# Altium PCB ALCT_MEZ_SPARTAN6T.PcbDoc (part 8 of 12) (continued)
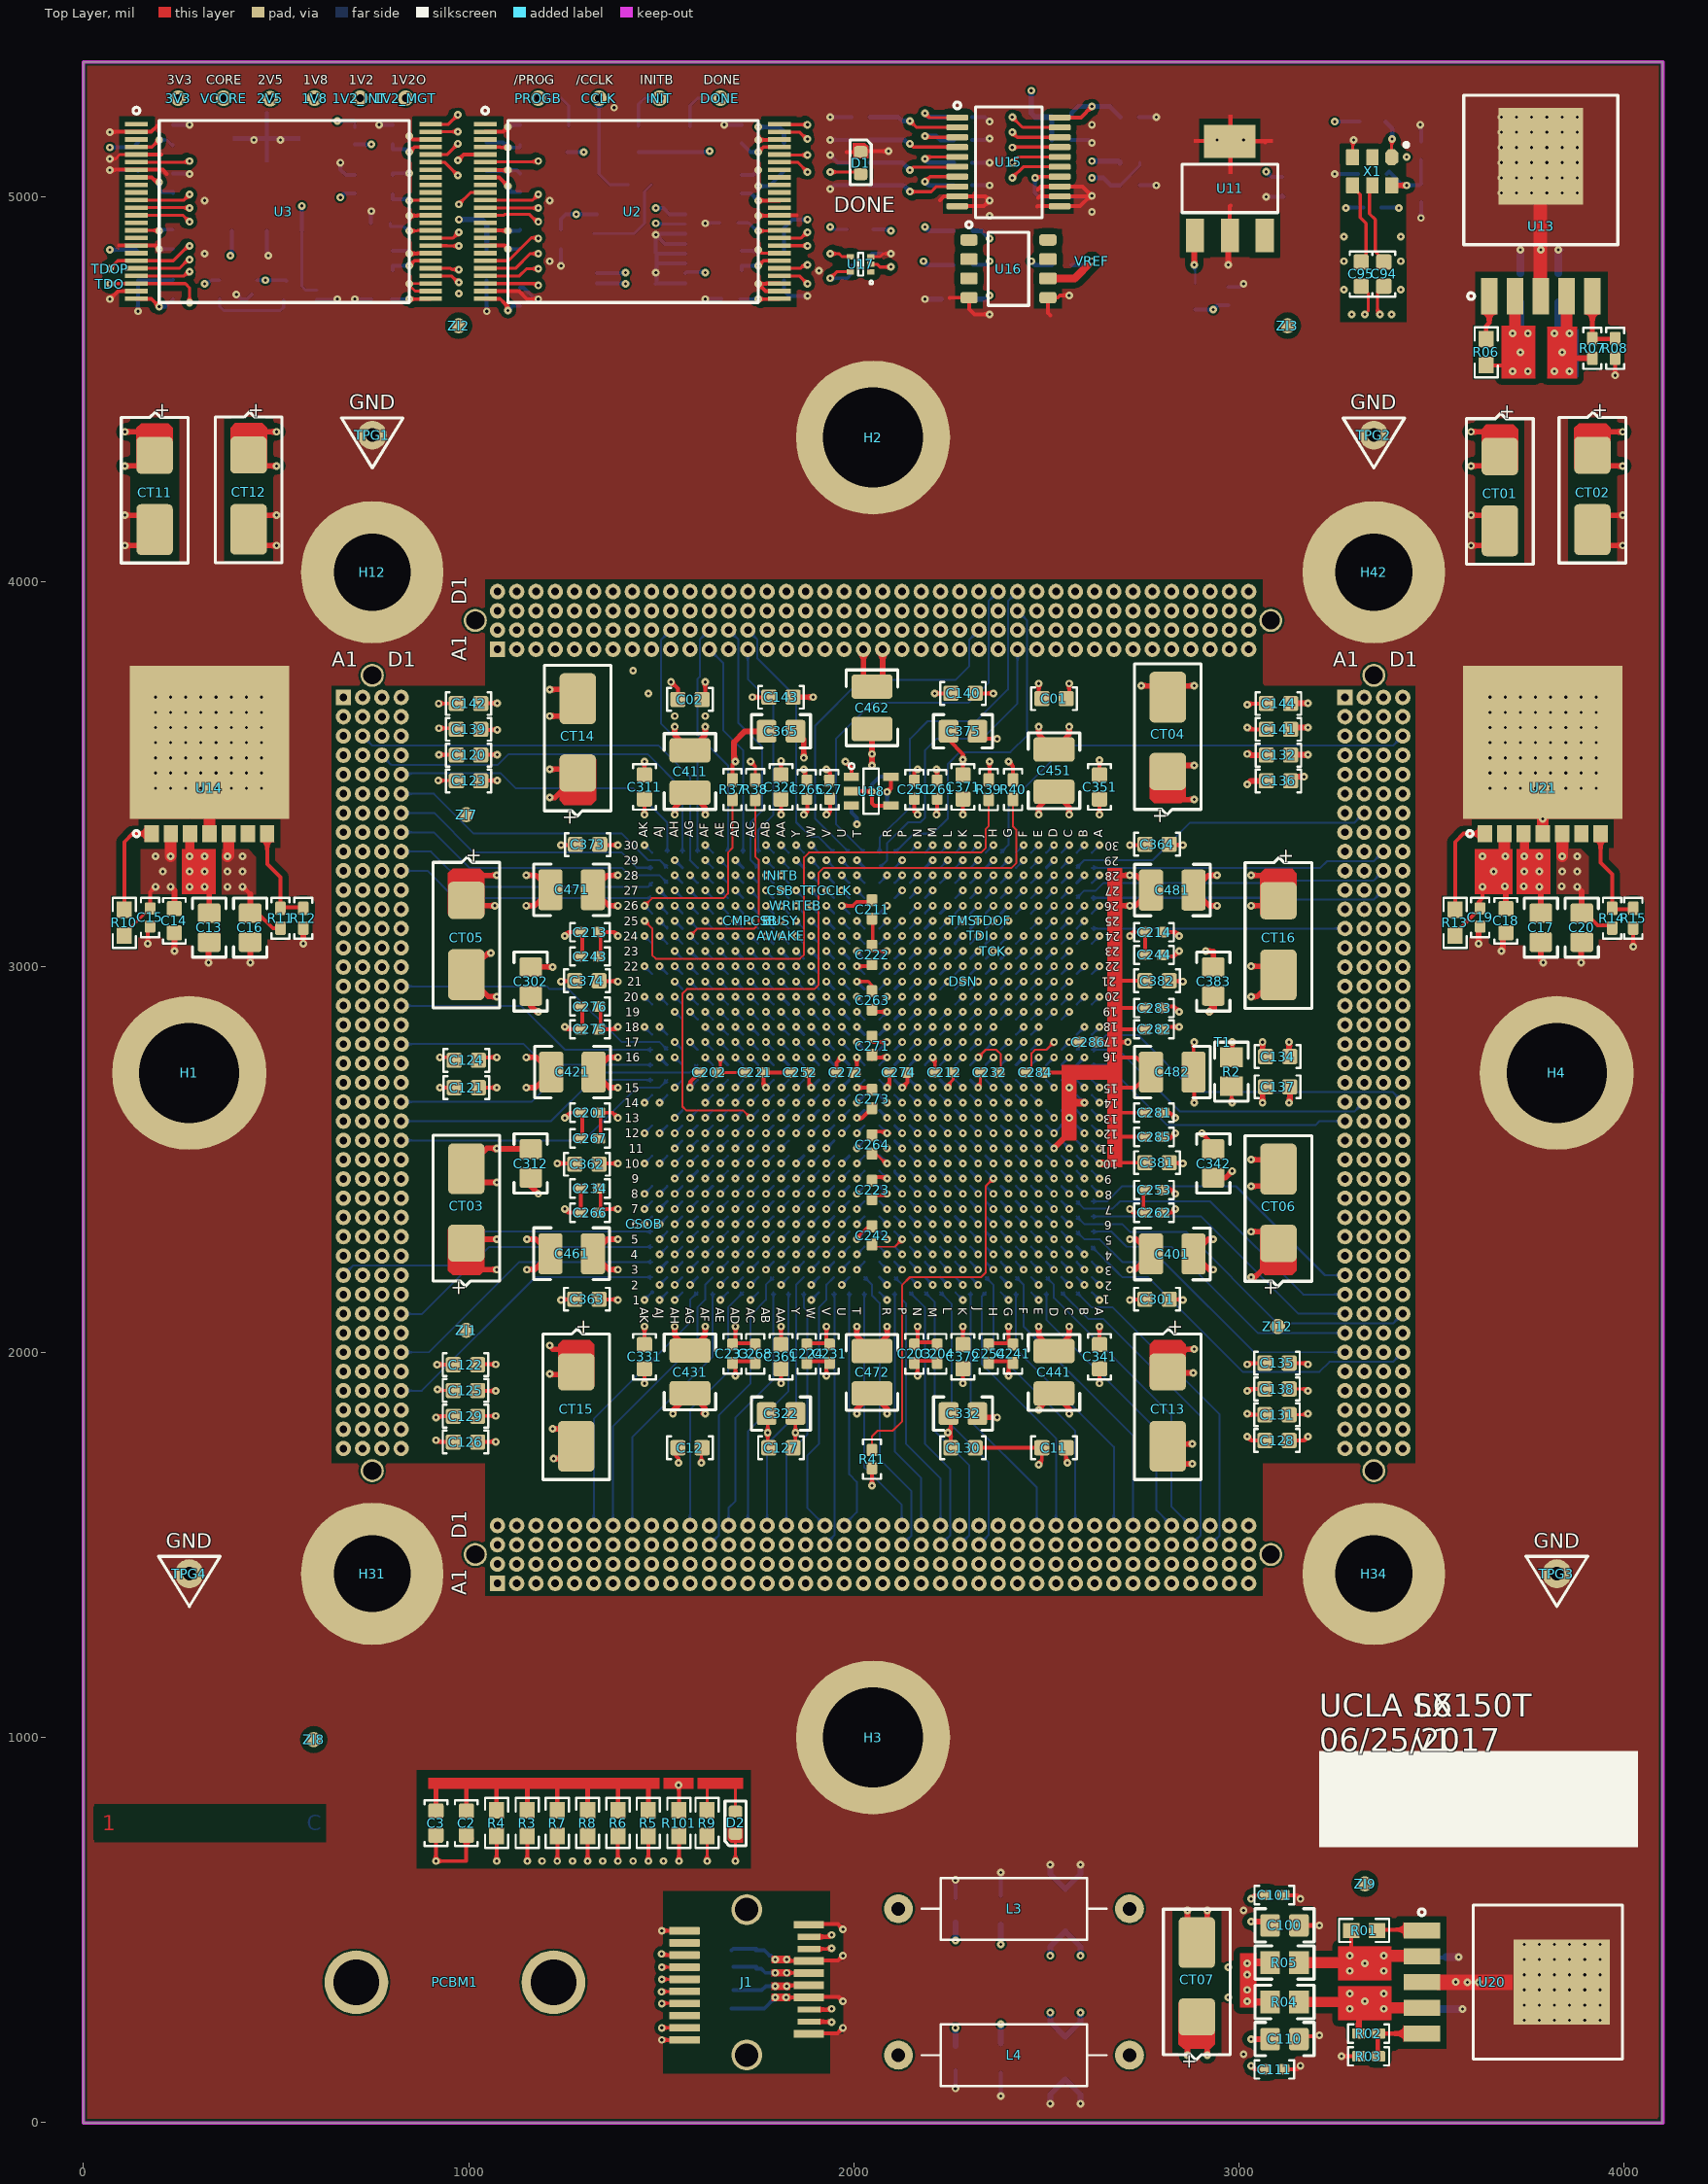
[diagram p0: Top Layer view]
## Nets (pads, with @x,y where several pads share a name; then routed paths per layer and width w, separated by ;. In a path a pad name is that pad's centre, name@x,y a point inside that pad or via, vN(x,y) a via of type N, cw(c..) or ccw(c..) an arc to the next point about the centre after c; other vN are vias at no path point) (continued)
  Bottom Layer w6: U1.N9@2145.68,2470.46 v1(2165.36,2450.78)
XP3A_23: U1.N8 XP3.A23 | length 1275.9
  Mid-Layer 5 w5: v1(2165.36,2411.41) 2164.99,2411.41 2145.13,2391.54 2117.92,2391.54 2106.49,2380.12 2106.49,1663.19 2150,1619.68 2150,1425 XP3.A23@2175,1400 ; XP3.A23@2174.41,1399.41 XP3.A23@2175,1398.82 ; 2160.49,1414.51 ccw(c2175,1429.02) 2175,1408.5 cw(c2175,1429.02) 2160.49,1414.51 ; 2160.49,1414.51 cw(c2145.98,1400) 2166.5,1400 ccw(c2145.98,1400) 2160.49,1414.51 ; 2151.96,1423.04 ccw(c2175,1446.09) 2175,1413.5 cw(c2175,1446.09) 2151.95,1423.05 cw(c2128.91,1400) 2161.5,1400 ccw(c2128.91,1400) 2151.96,1423.04
  Bottom Layer w6: U1.N8@2145.68,2431.09 v1(2165.36,2411.41)
XP3A_24: U1.N7 XP3.A24 | length 1209.7
  Mid-Layer 5 w5: v1(2165.36,2372.04) 2145.85,2352.54 2145.85,1712.41 2200,1658.27 2200,1423.82 ; XP3.A24@2225,1398.82 XP3.A24@2223.82,1400 ; XP3.A24@2225,1400 XP3.A24@2223.82,1400 ; 2200,1423.82 ccw(c2224.93,1448.75) 2224.98,1413.5 cw(c2224.91,1448.73) 2200,1423.82 ; 2200,1423.82 XP3.A24@2223.82,1400 ; 2202.78,1421.04 cw(c2181.74,1400) 2211.5,1400 ccw(c2181.76,1400) 2202.79,1421.03 ; 2208.52,1415.3 ccw(c2224.96,1431.74) 2224.99,1408.5 cw(c2224.94,1431.74) 2208.51,1415.31 ; 2211.32,1412.5 cw(c2198.81,1400) 2216.5,1400 ccw(c2198.83,1400) 2211.33,1412.5
  Bottom Layer w6: U1.N7@2145.68,2391.73 v1(2165.36,2372.04)
XP3A_25: U1.R3 XP3.A25 | length 1087.3
  Mid-Layer 4 w5: v1(2086.63,2214.56) 2135.83,2165.36 2135.83,1793.29 2250.5,1678.62 2250.5,1424.5 XP3.A25@2275,1400 ; 2260.49,1414.51 ccw(c2275,1429.02) 2275,1408.5 cw(c2275,1429.02) 2260.49,1414.51 ; 2260.49,1414.51 cw(c2245.98,1400) 2266.5,1400 ccw(c2245.98,1400) 2260.49,1414.51 ; 2251.96,1423.04 ccw(c2275,1446.09) 2275,1413.5 cw(c2275,1446.09) 2251.95,1423.05 cw(c2228.91,1400) 2261.5,1400 ccw(c2228.91,1400) 2251.96,1423.04
  Bottom Layer w6: U1.R3@2066.93,2234.25 v1(2086.63,2214.56)
XP3A_26: U1.M7 XP3.A26 | length 1233.7
  Mid-Layer 4 w5: v1(2204.73,2372.04) 2185.04,2352.36 2185.04,1820.87 2299.5,1706.41 2299.5,1425.5 XP3.A26@2325,1400 ; XP3.A26@2324.41,1399.41 XP3.A26@2325,1398.82 ; 2310.49,1414.51 ccw(c2325,1429.02) 2325,1408.5 cw(c2325,1429.02) 2310.49,1414.51 ; 2310.49,1414.51 cw(c2295.98,1400) 2316.5,1400 ccw(c2295.98,1400) 2310.49,1414.51 ; 2301.96,1423.04 ccw(c2325,1446.09) 2325,1413.5 cw(c2325,1446.09) 2301.95,1423.05 cw(c2278.91,1400) 2311.5,1400 ccw(c2278.91,1400) 2301.96,1423.04
  Bottom Layer w6: U1.M7@2185.04,2391.73 v1(2204.73,2372.04)
XP3A_27: U1.M2 XP3.A27 | length 1038.5
  Mid-Layer 5 w5: v1(2204.72,2175.2) 2204.72,2135.83 2214.57,2125.98 2214.57,1865.16 2350.5,1729.22 2350.5,1423.32 ; 2361.33,1412.49 cw(c2348.84,1400) 2366.5,1400 ccw(c2348.82,1400) 2361.32,1412.5 ; XP3.A27@2374.78,1413.49 cw(c2374.23,1447.04) 2350.5,1423.32 ; XP3.A27@2374.77,1413.5 cw(c2374.21,1447.02) 2350.5,1423.32 ; XP3.A27@2374.86,1408.49 cw(c2374.5,1430.63) 2358.84,1414.98 ccw(c2374.48,1430.63) XP3.A27@2374.86,1408.5 ; XP3.A27@2375,1398.82 2350.5,1423.32 ; 2352.79,1421.03 cw(c2331.75,1400) 2361.5,1400 ccw(c2331.77,1400) 2352.79,1421.03
  Bottom Layer w6: U1.M2@2185.04,2194.88 v1(2204.72,2175.2)
XP3A_28: U1.K1 XP3.A28 | length 1005.7
  Mid-Layer 4 w5: v1(2283.46,2135.83) 2303.15,2116.14 2303.15,2007.87 2419,1892.02 2419,1583.96 2400,1564.96 2400,1425 XP3.A28@2425,1400 ; XP3.A28@2424.41,1399.41 XP3.A28@2425,1398.82 ; 2410.49,1414.51 ccw(c2425,1429.02) 2425,1408.5 cw(c2425,1429.02) 2410.49,1414.51 ; 2410.49,1414.51 cw(c2395.98,1400) 2416.5,1400 ccw(c2395.98,1400) 2410.49,1414.51 ; 2401.96,1423.04 ccw(c2425,1446.09) 2425,1413.5 cw(c2425,1446.09) 2401.95,1423.05 cw(c2378.91,1400) 2411.5,1400 ccw(c2378.91,1400) 2401.96,1423.04
  Bottom Layer w5: U1.K1@2263.78,2155.51 v1(2283.46,2135.83)
XP3A_29: U1.L10 XP3.A29 | length 1395.8
  Mid-Layer 5 w5: v1(2244.09,2490.14) 2224.59,2470.64 2224.59,2160.25 2239.17,2145.67 2239.17,1914.37 2450,1703.54 2450,1423.82 ; XP3.A29@2473.82,1400 2450,1423.82 ; 2450,1423.82 ccw(c2474.93,1448.75) 2474.98,1413.5 cw(c2474.91,1448.73) 2450,1423.82 ; 2452.78,1421.04 cw(c2431.74,1400) 2461.5,1400 ccw(c2431.76,1400) 2452.79,1421.03 ; 2458.52,1415.3 ccw(c2474.96,1431.74) 2474.99,1408.5 cw(c2474.94,1431.74) 2458.51,1415.31 ; 2461.32,1412.5 cw(c2448.81,1400) 2466.5,1400 ccw(c2448.83,1400) 2461.33,1412.5
  Bottom Layer w6: U1.L10@2224.41,2509.84 v1(2244.09,2490.14)
XP3A_30: U1.K11 XP3.A30 | length 1442.5
  Mid-Layer 5 w5: v1(2283.48,2529.53) 2263.96,2510.01 2263.96,2183.28 2263.96,2167.12 2263.96,1966.37 2500,1730.33 2500,1423.82 ; XP3.A30@2525,1398.82 XP3.A30@2523.82,1400 ; XP3.A30@2525,1400 XP3.A30@2523.82,1400 ; 2500,1423.82 ccw(c2524.93,1448.75) 2524.98,1413.5 cw(c2524.91,1448.73) 2500,1423.82 ; 2500,1423.82 XP3.A30@2523.82,1400 ; 2502.78,1421.04 cw(c2481.74,1400) 2511.5,1400 ccw(c2481.76,1400) 2502.79,1421.03 ; 2508.52,1415.3 ccw(c2524.96,1431.74) 2524.99,1408.5 cw(c2524.94,1431.73) 2508.52,1415.31 ; 2511.32,1412.5 cw(c2498.81,1400) 2516.5,1400 ccw(c2498.83,1400) 2511.33,1412.5
  Bottom Layer w6: U1.K11@2263.78,2549.21 v1(2283.48,2529.53)
XP3A_31: U1.K10 XP3.A31 | length 1426.7
  Mid-Layer 5 w5: v1(2283.48,2490.14) 2302.98,2470.64 2302.98,2010.51 2302.98,1991.33 2599.5,1694.81 2599.5,1424.5 XP3.A31@2575,1400 ; XP3.A31@2574.41,1399.41 XP3.A31@2575,1398.82 ; 2589.51,1414.51 ccw(c2604.02,1400) 2583.5,1400 cw(c2604.02,1400) 2589.51,1414.51 ; 2589.51,1414.51 cw(c2575,1429.02) 2575,1408.5 ccw(c2575,1429.02) 2589.51,1414.51 ; XP3.A31@2575,1413.5 ccw(c2575,1446.09) 2598.04,1423.04 ccw(c2621.09,1400) 2588.5,1400 cw(c2621.09,1400) 2598.05,1423.05 cw(c2575,1446.09) XP3.A31@2575,1413.5
  Bottom Layer w6: U1.K10@2263.78,2509.84 v1(2283.48,2490.14)
XP3A_32: U1.J8 XP3.A32 | length 1333.4
  Mid-Layer 4 w5: v1(2322.84,2411.41) 2342.34,2391.91 2342.34,2195.06 2362.2,2175.2 2362.2,2064.98 2534.63,1892.55 2534.63,1658.28 2599.5,1593.41 2599.5,1426.67 2598.33,1425.5 XP3.A32@2625,1398.82 ; 2599.94,1423.88 ccw(c2625,1448.95) 2625,1413.5 cw(c2625,1448.92) 2599.95,1423.87 ; 2608.49,1415.33 ccw(c2625,1431.85) 2625,1408.5 cw(c2625,1431.88) 2608.47,1415.35 ; 2602.78,1421.04 cw(c2581.74,1400) 2611.5,1400 ccw(c2581.76,1400) 2602.79,1421.03 ; 2611.32,1412.5 cw(c2598.81,1400) 2616.5,1400 ccw(c2598.83,1400) 2611.33,1412.5
  Bottom Layer w6: U1.J8@2303.15,2431.1 v1(2322.84,2411.41)
XP3A_33: U1.J10 XP3.A33 | length 1431.5
  Mid-Layer 5 w5: v1(2322.84,2490.14) 2342.34,2470.64 2342.34,2027.73 2650,1720.08 2650,1425 XP3.A33@2675,1400 ; XP3.A33@2674.41,1399.41 XP3.A33@2675,1398.82 ; 2660.49,1414.51 ccw(c2675,1429.02) 2675,1408.5 cw(c2675,1429.02) 2660.49,1414.51 ; 2660.49,1414.51 cw(c2645.98,1400) 2666.5,1400 ccw(c2645.98,1400) 2660.49,1414.51 ; 2651.96,1423.04 ccw(c2675,1446.09) 2675,1413.5 cw(c2675,1446.09) 2651.95,1423.05 cw(c2628.91,1400) 2661.5,1400 ccw(c2628.91,1400) 2651.96,1423.04
  Bottom Layer w6: U1.J10@2303.15,2509.84 v1(2322.84,2490.14)
XP3A_34: U1.H7 XP3.A34 | length 1317
  Mid-Layer 5 w5: v1(2362.21,2372.04) 2382.07,2352.18 2382.07,2058.85 2700,1740.93 2700,1425 XP3.A34@2725,1400 ; 2710.49,1414.51 ccw(c2725,1429.02) 2725,1408.5 cw(c2725,1429.02) 2710.49,1414.51 ; 2710.49,1414.51 cw(c2695.98,1400) 2716.5,1400 ccw(c2695.98,1400) 2710.49,1414.51 ; 2701.96,1423.04 ccw(c2725,1446.09) 2725,1413.5 cw(c2725,1446.09) 2701.95,1423.05 cw(c2678.91,1400) 2711.5,1400 ccw(c2678.91,1400) 2701.96,1423.04
  Bottom Layer w6: U1.H7@2342.52,2391.73 v1(2362.21,2372.04)
XP3A_35: U1.H8 XP3.A35 | length 1393.2
  Mid-Layer 5 w5: v1(2362.21,2411.41) 2382.08,2391.54 2409.65,2391.54 2421.08,2380.12 2421.08,2096.64 2750,1767.72 2750,1425 XP3.A35@2775,1400 ; 2760.49,1414.51 ccw(c2775,1429.02) 2775,1408.5 cw(c2775,1429.02) 2760.49,1414.51 ; 2760.49,1414.51 cw(c2745.98,1400) 2766.5,1400 ccw(c2745.98,1400) 2760.49,1414.51 ; 2751.96,1423.04 ccw(c2775,1446.09) 2775,1413.5 cw(c2775,1446.09) 2751.95,1423.05 cw(c2728.91,1400) 2761.5,1400 ccw(c2728.91,1400) 2751.96,1423.04
  Bottom Layer w6: U1.H8@2342.52,2431.1 v1(2362.21,2411.41)
XP3A_36: U1.K12 XP3.A36 | length 1628.2
  Mid-Layer 7 w5: v1(2283.48,2568.89) 2303.16,2549.21 2372.05,2549.21 2381.89,2539.37 2381.89,1986.24 2800,1568.13 2800,1425 XP3.A36@2825,1400 ; 2810.49,1414.51 ccw(c2825,1429.02) 2825,1408.5 cw(c2825,1429.02) 2810.49,1414.51 ; 2810.49,1414.51 cw(c2795.98,1400) 2816.5,1400 ccw(c2795.98,1400) 2810.49,1414.51 ; 2801.96,1423.04 ccw(c2825,1446.09) 2825,1413.5 cw(c2825,1446.09) 2801.95,1423.05 cw(c2778.91,1400) 2811.5,1400 ccw(c2778.91,1400) 2801.96,1423.04
  Bottom Layer w6: U1.K12@2263.78,2588.58 v1(2283.48,2568.89)
XP3A_37: U1.G5 XP3.A37 | length 1284.9
  Mid-Layer 2 w5: v1(2401.58,2293.29) 2421.44,2273.44 2421.44,2165.18 2850,1736.61 2850,1425 XP3.A37@2875,1400 ; XP3.A37@2874.41,1399.41 XP3.A37@2875,1398.82 ; 2860.49,1414.51 ccw(c2875,1429.02) 2875,1408.5 cw(c2875,1429.02) 2860.49,1414.51 ; 2860.49,1414.51 cw(c2845.98,1400) 2866.5,1400 ccw(c2845.98,1400) 2860.49,1414.51 ; 2851.96,1423.04 ccw(c2875,1446.09) 2875,1413.5 cw(c2875,1446.09) 2851.95,1423.05 cw(c2828.91,1400) 2861.5,1400 ccw(c2828.91,1400) 2851.96,1423.04
  Bottom Layer w6: U1.G5@2381.89,2312.99 v1(2401.58,2293.29)
XP3A_38: U1.G7 XP3.A38 | length 1383.5
  Mid-Layer 7 w5: v1(2401.58,2372.04) 2421.26,2352.36 2421.26,2042.32 2900,1563.58 2900,1425 XP3.A38@2925,1400 ; 2910.49,1414.51 ccw(c2925,1429.02) 2925,1408.5 cw(c2925,1429.02) 2910.49,1414.51 ; 2910.49,1414.51 cw(c2895.98,1400) 2916.5,1400 ccw(c2895.98,1400) 2910.49,1414.51 ; 2901.96,1423.04 ccw(c2925,1446.09) 2925,1413.5 cw(c2925,1446.09) 2901.95,1423.05 cw(c2878.91,1400) 2911.5,1400 ccw(c2878.91,1400) 2901.96,1423.04
  Bottom Layer w6: U1.G7@2381.89,2391.73 v1(2401.58,2372.04)
XP3B_3: U1.AE3 XP3.B3 | length 1158.3
  Mid-Layer 2 w5: XP3.B3@1175,1448.82 XP3.B3@1175.59,1449.41 ; XP3.B3@1175,1450 1199.5,1474.5 1199.5,1624.68 1633.67,2058.85 1633.67,2194.67 v1(1653.56,2214.56) ; 1189.51,1464.51 ccw(c1204.02,1450) 1183.5,1450 cw(c1204.02,1450) 1189.51,1464.51 ; 1189.51,1464.51 cw(c1175,1479.02) 1175,1458.5 ccw(c1175,1479.02) 1189.51,1464.51 ; XP3.B3@1175,1463.5 ccw(c1175,1496.09) 1198.04,1473.04 ccw(c1221.09,1450) 1188.5,1450 cw(c1221.09,1450) 1198.05,1473.05 cw(c1175,1496.09) XP3.B3@1175,1463.5
  Bottom Layer w6: v1(1653.56,2214.56) U1.AE3@1673.23,2234.25
XP3B_4: U1.AE5 XP3.B4 | length 1232.5
  Mid-Layer 2 w5: XP3.B4@1225,1448.82 XP3.B4@1225.59,1449.41 ; XP3.B4@1225,1450 1250,1475 1250,1594.49 1673.06,2017.55 1673.06,2273.79 v1(1653.56,2293.29) ; 1239.51,1464.51 ccw(c1254.02,1450) 1233.5,1450 cw(c1254.02,1450) 1239.51,1464.51 ; 1239.51,1464.51 cw(c1225,1479.02) 1225,1458.5 ccw(c1225,1479.02) 1239.51,1464.51 ; XP3.B4@1225,1463.5 ccw(c1225,1496.09) 1248.04,1473.04 ccw(c1271.09,1450) 1238.5,1450 cw(c1271.09,1450) 1248.05,1473.05 cw(c1225,1496.09) XP3.B4@1225,1463.5
  Bottom Layer w6: v1(1653.56,2293.29) U1.AE5@1673.23,2312.99
XP3B_5: U1.AD6 XP3.B5 | length 1286.9
  Mid-Layer 7 w5: XP3.B5@1275,1450 1250.5,1474.5 1250.5,1740.68 1614.86,2105.03 1614.86,2146.35 1633.68,2165.17 1633.68,2300.99 1645.87,2313.18 1673.43,2313.18 v1(1692.93,2332.68) ; 1260.49,1464.51 ccw(c1275,1479.02) 1275,1458.5 cw(c1275,1479.02) 1260.49,1464.51 ; 1260.49,1464.51 cw(c1245.98,1450) 1266.5,1450 ccw(c1245.98,1450) 1260.49,1464.51 ; 1251.96,1473.04 ccw(c1275,1496.09) 1275,1463.5 cw(c1275,1496.09) 1251.95,1473.05 cw(c1228.91,1450) 1261.5,1450 ccw(c1228.91,1450) 1251.96,1473.04
  Bottom Layer w6: v1(1692.93,2332.68) U1.AD6@1712.6,2352.36
XP3B_6: U1.AE1 XP3.B6 | length 1058.9
  Mid-Layer 7 w5: XP3.B6@1325,1450 1300.5,1474.5 ; v1@1645.65,2135.83 v1(1653.54,2135.83) 1643.7,2125.98 1643.7,2066.93 1300.5,1723.73 1300.5,1474.5 ; 1300.5,1474.5 1310.49,1464.51 ; 1310.49,1464.51 ccw(c1325,1479.02) 1325,1458.5 cw(c1325,1479.02) 1310.49,1464.51 ; 1310.49,1464.51 cw(c1295.98,1450) 1316.5,1450 ccw(c1295.98,1450) 1310.49,1464.51 ; 1301.96,1473.04 ccw(c1325,1496.09) 1325,1463.5 cw(c1325,1496.09) 1301.95,1473.05 cw(c1278.91,1450) 1311.5,1450 ccw(c1278.91,1450) 1301.96,1473.04
  Bottom Layer w6: v1@1653.54,2135.81 U1.AE1@1673.23,2155.51
XP3B_7: U1.AC5 XP3.B7 | length 1186.8
  Mid-Layer 2 w5: XP3.B7@1375,1448.82 XP3.B7@1375.59,1449.41 ; XP3.B7@1375,1450 1400,1475 1400,1598.8 1712.43,1911.24 1712.43,2270.93 1732.29,2290.79 v1(1732.29,2293.29) ; 1389.51,1464.51 ccw(c1404.02,1450) 1383.5,1450 cw(c1404.02,1450) 1389.51,1464.51 ; 1389.51,1464.51 cw(c1375,1479.02) 1375,1458.5 ccw(c1375,1479.02) 1389.51,1464.51 ; XP3.B7@1375,1463.5 ccw(c1375,1496.09) 1398.04,1473.04 ccw(c1421.09,1450) 1388.5,1450 cw(c1421.09,1450) 1398.05,1473.05 cw(c1375,1496.09) XP3.B7@1375,1463.5
  Bottom Layer w6: v1(1732.29,2293.29) U1.AC5@1751.98,2312.98
XP3B_8: U1.AB6 XP3.B8 | length 1221.8
  Mid-Layer 2 w5: XP3.B8@1425,1448.82 XP3.B8@1425.59,1449.41 ; XP3.B8@1425,1450 1450,1475 1450,1587.8 1751.8,1889.6 1751.8,2312.82 v1(1771.66,2332.68) ; 1439.51,1464.51 ccw(c1454.02,1450) 1433.5,1450 cw(c1454.02,1450) 1439.51,1464.51 ; 1439.51,1464.51 cw(c1425,1479.02) 1425,1458.5 ccw(c1425,1479.02) 1439.51,1464.51 ; XP3.B8@1425,1463.5 ccw(c1425,1496.09) 1448.04,1473.04 ccw(c1471.09,1450) 1438.5,1450 cw(c1471.09,1450) 1448.05,1473.05 cw(c1425,1496.09) XP3.B8@1425,1463.5
  Bottom Layer w6: v1(1771.66,2332.68) U1.AB6@1791.34,2352.36
XP3B_9: U1.AA5 XP3.B9 | length 1178
  Mid-Layer 2 w5: XP3.B9@1475,1448.82 XP3.B9@1475.59,1449.41 ; XP3.B9@1475,1450 1500,1475 1500,1580.69 1791.17,1871.86 1791.17,2273.44 v1(1811.03,2293.29) ; 1489.51,1464.51 ccw(c1504.02,1450) 1483.5,1450 cw(c1504.02,1450) 1489.51,1464.51 ; 1489.51,1464.51 cw(c1475,1479.02) 1475,1458.5 ccw(c1475,1479.02) 1489.51,1464.51 ; XP3.B9@1475,1463.5 ccw(c1475,1496.09) 1498.04,1473.04 ccw(c1521.09,1450) 1488.5,1450 cw(c1521.09,1450) 1498.05,1473.05 cw(c1475,1496.09) XP3.B9@1475,1463.5
  Bottom Layer w6: v1(1811.03,2293.29) U1.AA5@1830.71,2312.99
XP3B_10: U1.Y6 XP3.B10 | length 1212.2
  Mid-Layer 2 w5: XP3.B10@1525,1450 1550,1475 1550,1592.34 1830.54,1872.88 1830.54,2312.82 v1(1850.39,2332.68) ; 1539.51,1464.51 ccw(c1554.02,1450) 1533.5,1450 cw(c1554.02,1450) 1539.51,1464.51 ; 1539.51,1464.51 cw(c1525,1479.02) 1525,1458.5 ccw(c1525,1479.02) 1539.51,1464.51 ; XP3.B10@1525,1463.5 ccw(c1525,1496.09) 1548.04,1473.04 ccw(c1571.09,1450) 1538.5,1450 cw(c1571.09,1450) 1548.05,1473.05 cw(c1525,1496.09) XP3.B10@1525,1463.5
  Bottom Layer w6: v1(1850.39,2332.68) U1.Y6@1870.08,2352.36
XP3B_11: U1.V4 XP3.B11 | length 1146.1
  Mid-Layer 1 w5: XP3.B11@1574.41,1449.41 XP3.B11@1575,1448.82 ; XP3.B11@1575,1450 1599.5,1474.5 1599.5,1586.69 1908.76,1895.95 1908.76,2066.93 1909.41,2067.57 1909.41,2234.19 v1(1929.14,2253.93) ; 1589.51,1464.51 ccw(c1604.02,1450) 1583.5,1450 cw(c1604.02,1450) 1589.51,1464.51 ; 1589.51,1464.51 cw(c1575,1479.02) 1575,1458.5 ccw(c1575,1479.02) 1589.51,1464.51 ; XP3.B11@1575,1463.5 ccw(c1575,1496.09) 1598.04,1473.04 ccw(c1621.09,1450) 1588.5,1450 cw(c1621.09,1450) 1598.05,1473.05 cw(c1575,1496.09) XP3.B11@1575,1463.5
  Bottom Layer w6: v1(1929.14,2253.93) U1.V4@1948.83,2273.61
XP3B_12: U1.U3 XP3.B12 | length 1091
  Mid-Layer 1 w5: XP3.B12@1625,1448.82 1625.98,1448.82 1649.5,1472.33 1649.5,1564.84 1949,1864.34 1949,2195.05 v1(1968.51,2214.56) ; XP3.B12@1625.9,1463.47 ccw(c1627.93,1493.9) 1649.5,1472.33 cw(c1627.94,1493.89) XP3.B12@1625.9,1463.47 ; 1641.71,1464.54 cw(c1626.95,1479.3) 1625.57,1458.48 ccw(c1626.97,1479.29) 1641.71,1464.55 ; XP3.B12@1633.5,1450 cw(c1648.8,1450) 1637.98,1460.82 ccw(c1648.78,1450) XP3.B12@1633.5,1450 ; XP3.B12@1638.5,1450 cw(c1665.87,1450) 1646.52,1469.35 ccw(c1665.85,1450) XP3.B12@1638.5,1450
  Bottom Layer w6: v1(1968.51,2214.56) U1.U3@1988.19,2234.25
XP3B_13: U1.W6 XP3.B13 | length 1187.9
  Mid-Layer 2 w5: XP3.B13@1674.41,1449.41 XP3.B13@1675,1448.82 ; XP3.B13@1675,1450 1650,1475 1650,1630.32 1869.9,1850.22 1869.9,2312.8 v1(1889.78,2332.68) ; 1660.49,1464.51 ccw(c1675,1479.02) 1675,1458.5 cw(c1675,1479.02) 1660.49,1464.51 ; 1660.49,1464.51 cw(c1645.98,1450) 1666.5,1450 ccw(c1645.98,1450) 1660.49,1464.51 ; 1651.96,1473.04 ccw(c1675,1496.09) 1675,1463.5 cw(c1675,1496.09) 1651.95,1473.05 cw(c1628.91,1450) 1661.5,1450 ccw(c1628.91,1450) 1651.96,1473.04
  Bottom Layer w6: v1(1889.78,2332.68) U1.W6@1909.45,2352.36
XP3B_14: U1.U7 XP3.B14 | length 1218.4
  Mid-Layer 2 w5: XP3.B14@1725,1448.82 XP3.B14@1725.59,1449.41 ; XP3.B14@1725,1450 1749.5,1474.5 1749.5,1601.86 1948.65,1801.01 1948.65,2352.19 v1(1968.51,2372.04) ; 1739.51,1464.51 ccw(c1754.02,1450) 1733.5,1450 cw(c1754.02,1450) 1739.51,1464.51 ; 1739.51,1464.51 cw(c1725,1479.02) 1725,1458.5 ccw(c1725,1479.02) 1739.51,1464.51 ; XP3.B14@1725,1463.5 ccw(c1725,1496.09) 1748.04,1473.04 ccw(c1771.09,1450) 1738.5,1450 cw(c1771.09,1450) 1748.05,1473.05 cw(c1725,1496.09) XP3.B14@1725,1463.5
  Bottom Layer w6: v1(1968.51,2372.04) U1.U7@1988.19,2391.73
XP3B_15: U1.U6 XP3.B15 | length 1174.5
  Mid-Layer 2 w5: XP3.B15@1775,1448.82 XP3.B15@1775.59,1449.41 ; XP3.B15@1775,1450 1800.5,1475.5 1800.5,1593.81 1988.01,1781.32 1988.01,2313.18 v1(1968.51,2332.68) ; 1789.51,1464.51 ccw(c1804.02,1450) 1783.5,1450 cw(c1804.02,1450) 1789.51,1464.51 ; 1789.51,1464.51 cw(c1775,1479.02) 1775,1458.5 ccw(c1775,1479.02) 1789.51,1464.51 ; XP3.B15@1775,1463.5 ccw(c1775,1496.09) 1798.04,1473.04 ccw(c1821.09,1450) 1788.5,1450 cw(c1821.09,1450) 1798.05,1473.05 cw(c1775,1496.09) XP3.B15@1775,1463.5
  Bottom Layer w6: v1(1968.51,2332.68) U1.U6@1988.19,2352.36
XP3B_16: U1.T6 XP3.B16 | length 1169.5
  Mid-Layer 7 w5: XP3.B16@1825,1450 1850,1475 1850,1574.41 2027.56,1751.97 2027.56,2313.12 v1@2008,2332.68 ; v1(2007.88,2332.68) v1@2007.94,2332.61 ; 1839.51,1464.51 ccw(c1854.02,1450) 1833.5,1450 cw(c1854.02,1450) 1839.51,1464.51 ; 1839.51,1464.51 cw(c1825,1479.02) 1825,1458.5 ccw(c1825,1479.02) 1839.51,1464.51 ; XP3.B16@1825,1463.5 ccw(c1825,1496.09) 1848.04,1473.04 ccw(c1871.09,1450) 1838.5,1450 cw(c1871.09,1450) 1848.05,1473.05 cw(c1825,1496.09) XP3.B16@1825,1463.5
  Bottom Layer w6: v1(2007.88,2332.68) U1.T6@2027.56,2352.36
XP3B_17: U1.U4 XP3.B17 | length 1073.9
  Mid-Layer 1 w5: XP3.B17@1875,1450 1850.5,1474.5 1850.5,1673.34 1988.14,1810.97 1988.14,2234.3 v1(1968.51,2253.93) ; 1860.49,1464.51 ccw(c1875,1479.02) 1875,1458.5 cw(c1875,1479.02) 1860.49,1464.51 ; 1860.49,1464.51 cw(c1845.98,1450) 1866.5,1450 ccw(c1845.98,1450) 1860.49,1464.51 ; 1851.96,1473.04 ccw(c1875,1496.09) 1875,1463.5 cw(c1875,1496.09) 1851.95,1473.05 cw(c1828.91,1450) 1861.5,1450 ccw(c1828.91,1450) 1851.96,1473.04
  Bottom Layer w6: v1(1968.51,2253.93) U1.U4@1988.19,2273.61
XP3B_18: U1.R5 XP3.B18 | length 1104.9
  Mid-Layer 1 w5: XP3.B18@1925,1450 1950.5,1475.5 1950.5,1584.38 2067.11,1700.99 2067.11,2273.78 v1(2086.63,2293.29) ; 1939.51,1464.51 ccw(c1954.02,1450) 1933.5,1450 cw(c1954.02,1450) 1939.51,1464.51 ; 1939.51,1464.51 cw(c1925,1479.02) 1925,1458.5 ccw(c1925,1479.02) 1939.51,1464.51 ; XP3.B18@1925,1463.5 ccw(c1925,1496.09) 1948.04,1473.04 ccw(c1971.09,1450) 1938.5,1450 cw(c1971.09,1450) 1948.05,1473.05 cw(c1925,1496.09) XP3.B18@1925,1463.5
  Bottom Layer w6: U1.R5@2066.93,2312.99 v1(2086.63,2293.29)
XP3B_19: U1.R4 XP3.B19 | length 1059.1
  Mid-Layer 1 w5: XP3.B19@1975,1448.82 1999.5,1473.32 1999.5,1559.15 2106.14,1665.79 2106.14,2234.42 v1(2086.63,2253.93) ; XP3.B19@1975.14,1458.49 ccw(c1975.5,1480.63) 1991.16,1464.98 cw(c1975.52,1480.63) XP3.B19@1975.14,1458.5 ; XP3.B19@1975.22,1463.49 ccw(c1975.77,1497.04) 1999.5,1473.32 cw(c1975.79,1497.02) XP3.B19@1975.23,1463.5 ; 1988.67,1462.49 ccw(c2001.16,1450) 1983.5,1450 cw(c2001.18,1450) 1988.68,1462.5 ; XP3.B19@1988.5,1450 cw(c2018.25,1450) 1997.21,1471.03 ccw(c2018.23,1450) XP3.B19@1988.5,1450
  Bottom Layer w6: U1.R4@2066.94,2273.61 v1(2086.63,2253.93)
XP3B_20: U1.T7 XP3.B20 | length 1166.9
  Mid-Layer 2 w5: v1(2007.88,2372.04) 2027.56,2372.04 2037.4,2362.2 2037.4,2185.04 2027.74,2175.38 2027.74,1899.61 2027.56,1899.61 2027.56,1732.28 2000.5,1705.22 2000.5,1474.5 XP3.B20@2025,1450 ; XP3.B20@2025,1448.82 XP3.B20@2025.59,1449.41 ; 2010.49,1464.51 ccw(c2025,1479.02) 2025,1458.5 cw(c2025,1479.02) 2010.49,1464.51 ; 2010.49,1464.51 cw(c1995.98,1450) 2016.5,1450 ccw(c1995.98,1450) 2010.49,1464.51 ; 2001.96,1473.04 ccw(c2025,1496.09) 2025,1463.5 cw(c2025,1496.09) 2001.95,1473.05 cw(c1978.91,1450) 2011.5,1450 ccw(c1978.91,1450) 2001.96,1473.04
  Bottom Layer w6: v1(2007.88,2372.04) U1.T7@2027.56,2391.73
XP3B_21: U1.T8 XP3.B21 | length 1234.3
  Mid-Layer 2 w5: v1(2007.88,2411.41) 2057.09,2411.41 2066.93,2401.57 2066.93,1811.02 2100,1777.95 2100,1475 XP3.B21@2075,1450 ; XP3.B21@2075,1448.82 XP3.B21@2075.59,1449.41 ; 2089.51,1464.51 ccw(c2104.02,1450) 2083.5,1450 cw(c2104.02,1450) 2089.51,1464.51 ; 2089.51,1464.51 cw(c2075,1479.02) 2075,1458.5 ccw(c2075,1479.02) 2089.51,1464.51 ; XP3.B21@2075,1463.5 ccw(c2075,1496.09) 2098.04,1473.04 ccw(c2121.09,1450) 2088.5,1450 cw(c2121.09,1450) 2098.05,1473.05 cw(c2075,1496.09) XP3.B21@2075,1463.5
  Bottom Layer w6: v1(2007.88,2411.41) U1.T8@2027.56,2431.1
XP3B_22: U1.P3 XP3.B22 | length 980.4
  Mid-Layer 1 w5: XP3.B22@2125,1448.82 2150,1473.82 ; v1(2125.99,2214.56) 2125.99,2116.14 2135.83,2106.31 2135.83,1722.44 2150,1708.27 2150,1473.82 ; 2150,1473.82 cw(c2125.07,1498.75) 2125.02,1463.5 ccw(c2125.09,1498.73) 2150,1473.82 ; XP3.B22@2125.01,1458.5 ccw(c2125.04,1481.74) 2141.48,1465.3 cw(c2125.06,1481.74) XP3.B22@2125.02,1458.5 ; XP3.B22@2133.5,1450 cw(c2151.19,1450) 2138.68,1462.5 ccw(c2151.17,1450) XP3.B22@2133.5,1450 ; XP3.B22@2138.5,1450 cw(c2168.26,1450) 2147.22,1471.04 ccw(c2168.24,1450) XP3.B22@2138.5,1450
  Bottom Layer w6: U1.P3@2106.3,2234.25 v1(2125.99,2214.56)
XP3B_23: U1.P4 XP3.B23 | length 1040.5
  Mid-Layer 1 w5: v1(2125.99,2253.93) 2145.85,2234.08 2145.85,2145.49 2185.04,2106.3 2185.04,1732.28 2200,1717.32 2200,1473.82 ; XP3.B23@2175,1448.82 2200,1473.82 ; 2200,1473.82 cw(c2175.07,1498.75) 2175.02,1463.5 ccw(c2175.09,1498.73) 2200,1473.82 ; XP3.B23@2175.01,1458.5 ccw(c2175.04,1481.74) 2191.48,1465.3 cw(c2175.06,1481.74) XP3.B23@2175.02,1458.5 ; XP3.B23@2183.5,1450 cw(c2201.19,1450) 2188.68,1462.5 ccw(c2201.17,1450) XP3.B23@2183.5,1450 ; XP3.B23@2188.5,1450 cw(c2218.26,1450) 2197.22,1471.04 ccw(c2218.24,1450) XP3.B23@2188.5,1450
  Bottom Layer w6: U1.P4@2106.31,2273.61 v1(2125.99,2253.93)
XP3B_24: U1.N3 XP3.B24 | length 1005.5
  Mid-Layer 1 w5: v1@2165.48,2214.56 2184.86,2195.18 2184.86,2155.69 2224.41,2116.14 2224.41,1761.81 2250,1736.22 2250,1473.82 ; XP3.B24@2225,1448.82 2250,1473.82 ; 2250,1473.82 cw(c2225.07,1498.75) 2225.02,1463.5 ccw(c2225.09,1498.73) 2250,1473.82 ; XP3.B24@2225.01,1458.5 ccw(c2225.04,1481.74) 2241.48,1465.3 cw(c2225.06,1481.74) XP3.B24@2225.02,1458.5 ; XP3.B24@2233.5,1450 cw(c2251.19,1450) 2238.68,1462.5 ccw(c2251.17,1450) XP3.B24@2233.5,1450 ; XP3.B24@2238.5,1450 cw(c2268.26,1450) 2247.22,1471.04 ccw(c2268.24,1450) XP3.B24@2238.5,1450
  Bottom Layer w6: U1.N3@2145.68,2234.24 v1(2165.36,2214.56)
XP3B_25: U1.R6 XP3.B25 | length 1155.4
  Mid-Layer 7 w5: v1(2086.63,2332.68) 2106.3,2313.01 2106.3,1740.18 2250,1596.47 2250,1475 XP3.B25@2275,1450 ; 2260.49,1464.51 ccw(c2275,1479.02) 2275,1458.5 cw(c2275,1479.02) 2260.49,1464.51 ; 2260.49,1464.51 cw(c2245.98,1450) 2266.5,1450 ccw(c2245.98,1450) 2260.49,1464.51 ; 2251.96,1473.04 ccw(c2275,1496.09) 2275,1463.5 cw(c2275,1496.09) 2251.95,1473.05 cw(c2228.91,1450) 2261.5,1450 ccw(c2228.91,1450) 2251.96,1473.04
  Bottom Layer w6: U1.R6@2066.93,2352.36 v1(2086.63,2332.68)
XP3B_26: U1.M3 XP3.B26 | length 1032.3
  Mid-Layer 1 w5: v1(2204.73,2214.56) 2224.41,2194.88 2224.41,2155.51 2263.78,2116.14 2263.78,1801.18 2350,1714.96 2350,1473.82 ; XP3.B26@2326.18,1450 2325,1448.82 2350,1473.82 ; 2338.67,1462.49 ccw(c2351.16,1450) 2333.5,1450 cw(c2351.18,1450) 2338.68,1462.5 ; 2350,1473.82 cw(c2325.08,1498.74) 2325.02,1463.5 ccw(c2325.1,1498.72) 2350,1473.82 ; XP3.B26@2325.01,1458.5 ccw(c2325.05,1481.73) 2341.48,1465.3 cw(c2325.06,1481.73) XP3.B26@2325.02,1458.5 ; XP3.B26@2338.5,1450 cw(c2368.25,1450) 2347.21,1471.03 ccw(c2368.23,1450) XP3.B26@2338.5,1450
  Bottom Layer w6: U1.M3@2185.04,2234.25 v1(2204.73,2214.56)
XP3B_27: U1.R1 XP3.B27 | length 1003.2
  Mid-Layer 2 w5: v1(2086.61,2135.82) 2086.61,2106.3 2106.3,2086.61 2106.3,1818.7 2200,1725 2204.12,1725 2349.5,1579.62 2349.5,1475.5 XP3.B27@2375,1450 ; XP3.B27@2374.41,1449.41 XP3.B27@2375,1448.82 ; 2360.49,1464.51 ccw(c2375,1479.02) 2375,1458.5 cw(c2375,1479.02) 2360.49,1464.51 ; 2360.49,1464.51 cw(c2345.98,1450) 2366.5,1450 ccw(c2345.98,1450) 2360.49,1464.51 ; 2351.96,1473.04 ccw(c2375,1496.09) 2375,1463.5 cw(c2375,1496.09) 2351.95,1473.05 cw(c2328.91,1450) 2361.5,1450 ccw(c2328.91,1450) 2351.96,1473.04
  Bottom Layer w6: U1.R1@2066.93,2155.51 v1@2086.61,2135.83
XP3B_28: U1.N4 XP3.B28 | length 1107.1
  Mid-Layer 7 w5: v1(2165.36,2253.93) 2185.04,2234.25 2185.04,1822.82 2401.57,1606.28 2401.57,1561.23 2400.5,1560.15 2400.5,1474.5 XP3.B28@2425,1450 ; 2410.49,1464.51 ccw(c2425,1479.02) 2425,1458.5 cw(c2425,1479.02) 2410.49,1464.51 ; 2410.49,1464.51 cw(c2395.98,1450) 2416.5,1450 ccw(c2395.98,1450) 2410.49,1464.51 ; 2401.96,1473.04 ccw(c2425,1496.09) 2425,1463.5 cw(c2425,1496.09) 2401.95,1473.05 cw(c2378.91,1450) 2411.5,1450 ccw(c2378.91,1450) 2401.96,1473.04
  Bottom Layer w6: U1.N4@2145.68,2273.61 v1(2165.36,2253.93)
XP3B_29: U1.P7 XP3.B29 | length 1280.6
  Mid-Layer 2 w5: v1(2125.99,2372.04) 2106.49,2352.54 2106.49,2206.48 2107.22,2205.74 2107.22,2144.74 2145.67,2106.3 2145.67,1862.19 2236.02,1771.84 2237.81,1771.84 2450,1559.65 2450,1473.82 ; XP3.B29@2475,1448.82 XP3.B29@2473.82,1450 ; XP3.B29@2475,1450 XP3.B29@2473.82,1450 ; 2450,1473.82 ccw(c2474.93,1498.75) 2474.98,1463.5 cw(c2474.91,1498.73) 2450,1473.82 ; 2450,1473.82 XP3.B29@2473.82,1450 ; 2452.78,1471.04 cw(c2431.74,1450) 2461.5,1450 ccw(c2431.76,1450) 2452.79,1471.03 ; 2458.52,1465.3 ccw(c2474.96,1481.74) 2474.99,1458.5 cw(c2474.94,1481.74) 2458.51,1465.31 ; 2461.32,1462.5 cw(c2448.81,1450) 2466.5,1450 ccw(c2448.83,1450) 2461.33,1462.5
  Bottom Layer w6: U1.P7@2106.3,2391.73 v1(2125.99,2372.04)
XP3B_30: U1.P6 XP3.B30 | length 1243.6
  Mid-Layer 2 w5: v1(2125.99,2332.68) 2145.85,2312.83 2145.85,2155.33 2185.04,2116.14 2185.04,1889.76 2499.82,1574.98 2500,1574.98 2500,1475 XP3.B30@2525,1450 ; XP3.B30@2524.41,1449.41 XP3.B30@2525,1448.82 ; 2510.49,1464.51 ccw(c2525,1479.02) 2525,1458.5 cw(c2525,1479.02) 2510.49,1464.51 ; 2510.49,1464.51 cw(c2495.98,1450) 2516.5,1450 ccw(c2495.98,1450) 2510.49,1464.51 ; 2501.96,1473.04 ccw(c2525,1496.09) 2525,1463.5 cw(c2525,1496.09) 2501.95,1473.05 cw(c2478.91,1450) 2511.5,1450 ccw(c2478.91,1450) 2501.96,1473.04
  Bottom Layer w6: U1.P6@2106.3,2352.36 v1(2125.99,2332.68)
XP3B_31: U1.K2 XP3.B31 | length 982.8
  Mid-Layer 2 w5: XP3.B31@2574.41,1449.41 XP3.B31@2575,1448.82
  Mid-Layer 7 w5: v1(2283.46,2175.2) 2308.07,2150.59 2308.07,1926.67 2550.5,1684.24 2550.5,1460.33 ; XP3.B31@2575,1450 2560.83,1450 2550.5,1460.33 ; 2550.5,1460.33 ccw(c2558.39,1468.21) 2565.9,1459.97 cw(c2558.38,1468.21) 2550.5,1460.33 ; 2554.2,1456.62 ccw(c2561.92,1464.34) 2569.27,1456.28 cw(c2561.92,1464.34) 2554.2,1456.63 ; 2557.91,1452.92 ccw(c2565.45,1460.47) 2572.64,1452.58 cw(c2565.45,1460.47) 2557.9,1452.92
  Bottom Layer w6: U1.K2@2263.78,2194.88 v1(2283.46,2175.2)
XP3B_32: U1.L6 XP3.B32 | length 1253.6
  Mid-Layer 2 w5: v1(2244.09,2332.68) 2224.59,2313.17 2224.59,1935.06 2600.5,1559.15 2600.5,1550.2 ; 2600,1550.2 2600,1473.82 ; XP3.B32@2625,1448.82 XP3.B32@2623.82,1450 ; XP3.B32@2625,1450 XP3.B32@2623.82,1450 ; 2600,1473.82 ccw(c2624.93,1498.75) 2624.98,1463.5 cw(c2624.91,1498.73) 2600,1473.82 ; 2600,1473.82 XP3.B32@2623.82,1450 ; 2602.78,1471.04 cw(c2581.74,1450) 2611.5,1450 ccw(c2581.76,1450) 2602.79,1471.03 ; 2608.52,1465.3 ccw(c2624.96,1481.74) 2624.99,1458.5 cw(c2624.94,1481.74) 2608.51,1465.31 ; 2611.32,1462.5 cw(c2598.81,1450) 2616.5,1450 ccw(c2598.83,1450) 2611.33,1462.5
  Bottom Layer w6: U1.L6@2224.41,2352.36 v1(2244.09,2332.68)